# Altium PCB XTIDA-010086.PcbDoc (part 13 of 17)
Units mm, origin at the board's own origin, x right, y up, seen from the top; angles counter-clockwise.
Board outline 375 x 210 mm, 6 copper layers (Top Layer, GND Layer, Signal Layer 1, Signal Layer 2, Power Layer, Bottom Layer), stack 1.575 mm thick; 1884 components, 1036 nets, 4948 pads, 6791 vias.
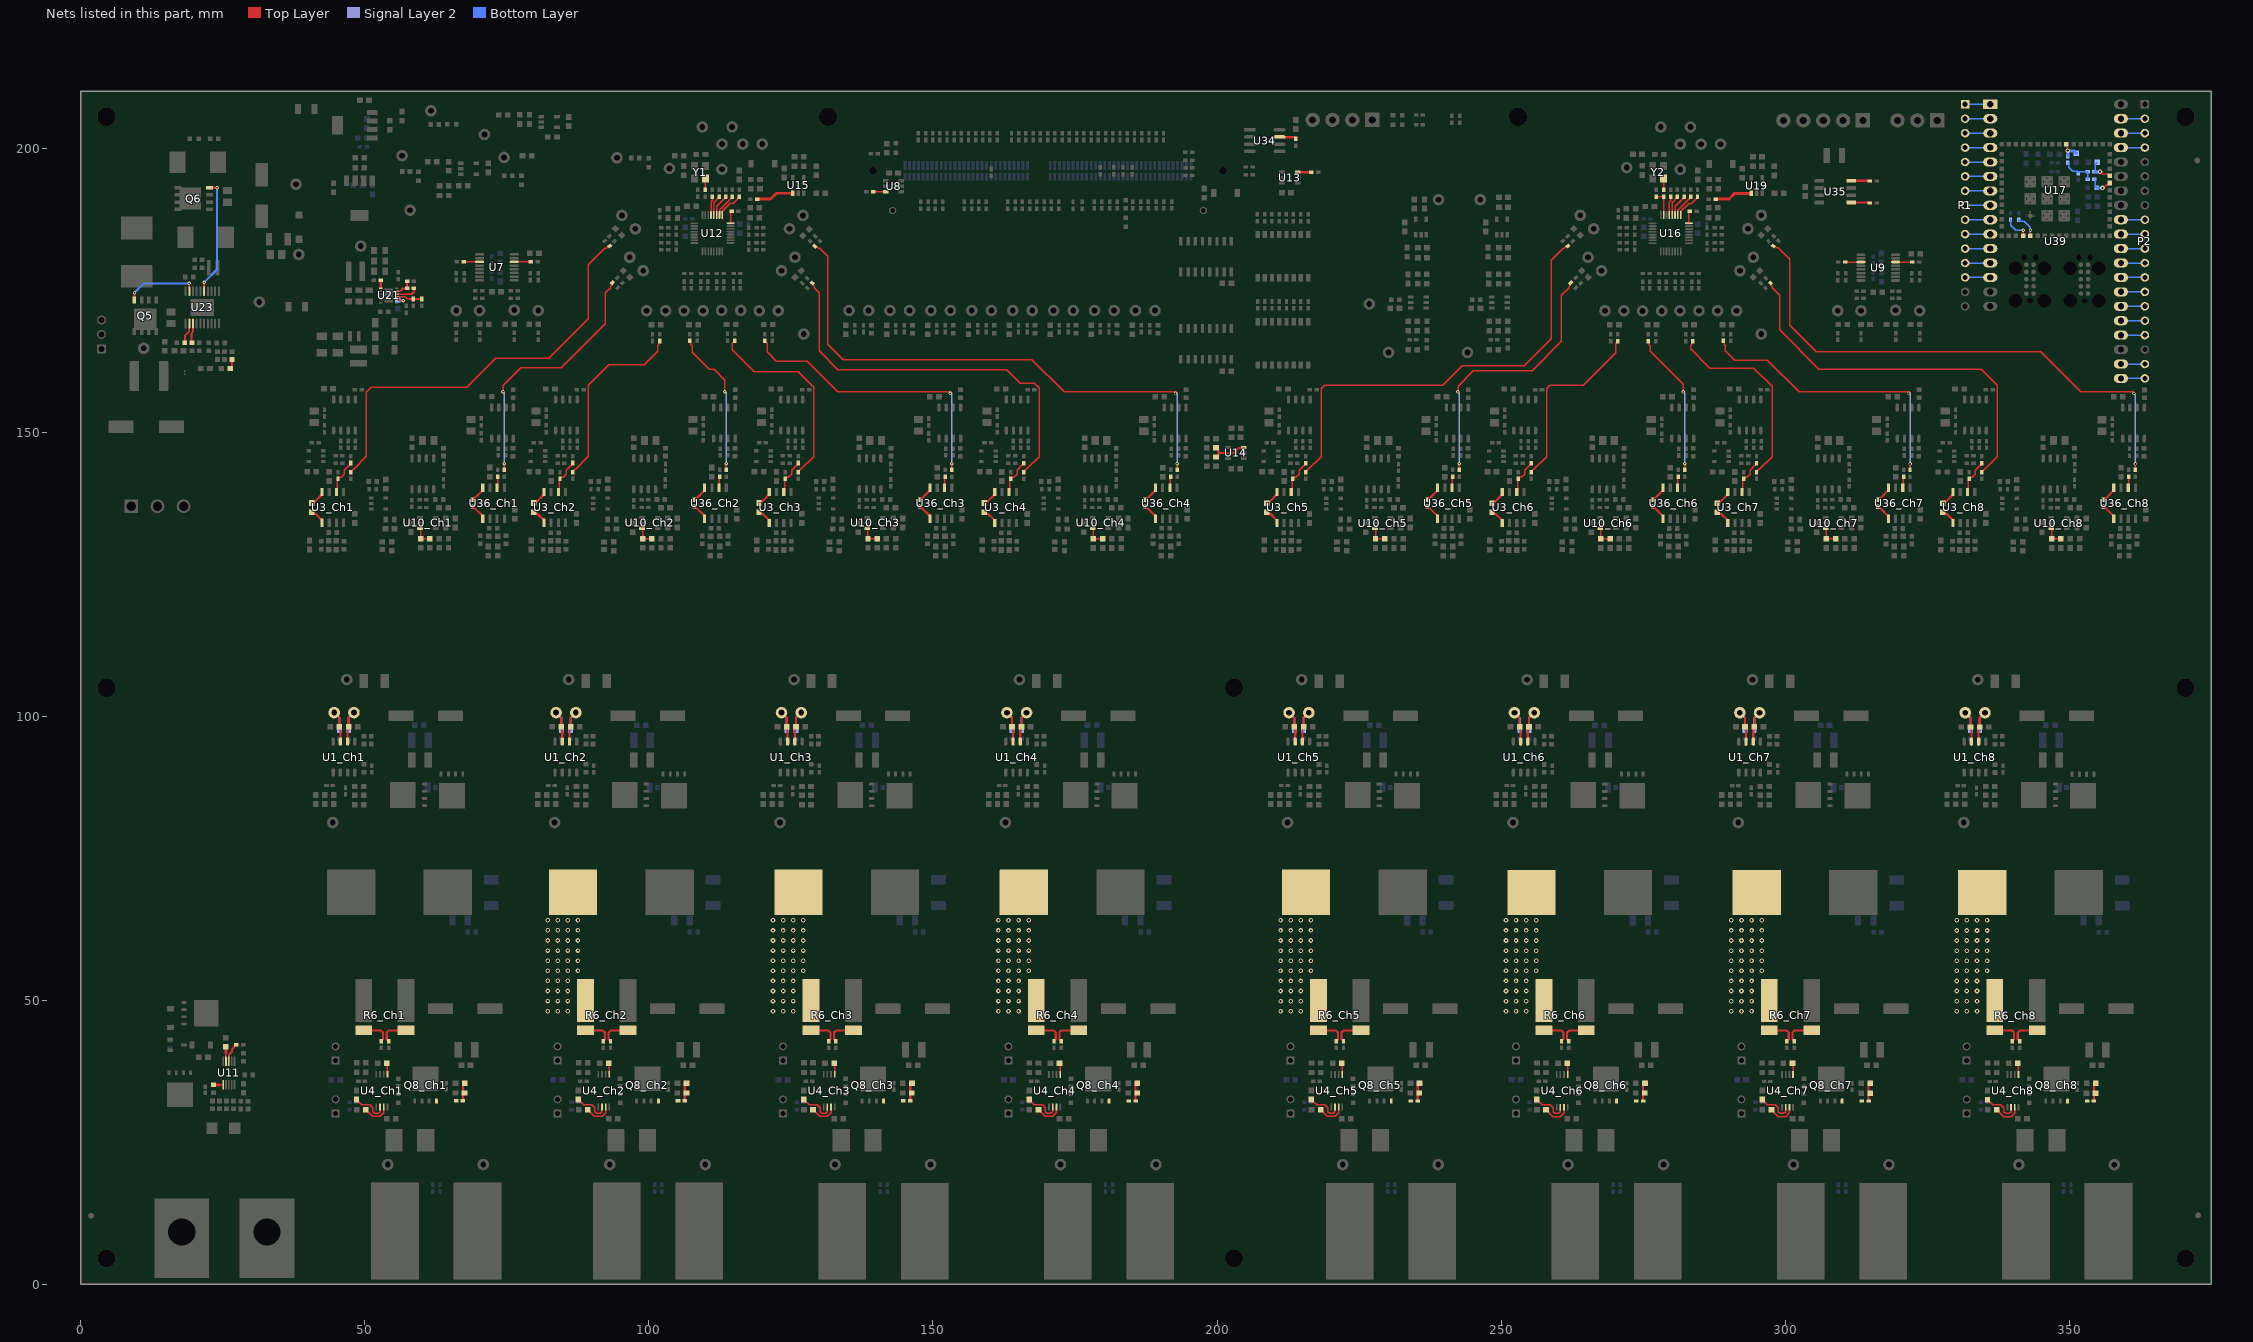
[diagram p17: the nets of this part, all layers, seen from the top]

## Via types
v1: diameter 0.813, hole 0.4, Top Layer to Bottom Layer, tented both sides, 4738 vias
v2: diameter 0.61, hole 0.3, Top Layer to Bottom Layer, tented both sides, 1254 vias
v3: diameter 0.813, hole 0.406, Top Layer to Bottom Layer, 728 vias
v4: diameter 0.5, hole 0.2, Top Layer to Bottom Layer, 40 vias
v5: diameter 5.45, hole 3.556, Top Layer to Bottom Layer, 16 vias
v6: diameter 5/3.65/3.65/3.65/3.65/5 (per signal layer), hole 3.2, Top Layer to Bottom Layer, 12 vias
v7: diameter 0.813, hole 0.4, Top Layer to Bottom Layer, 3 vias

## Nets (pads, with @x,y where several pads share a name; then routed paths per layer and width w, separated by ;. In a path a pad name is that pad's centre, name@x,y a point inside that pad or via, vN(x,y) a via of type N, cw(c..) or ccw(c..) an arc to the next point about the centre after c; other vN are vias at no path point) (continued)
NetL2_Ch2_2: L2_Ch2.2 R6_Ch2.2
  other v1: 82.169,48.055 83.947,48.055 85.725,48.055 82.169,49.833 83.947,49.833 85.725,49.833 82.169,51.611 83.947,51.611 85.725,51.611 82.169,53.389 83.947,53.389 85.725,53.389 82.169,55.167 83.947,55.167 85.725,55.167 87.503,55.167 82.169,56.945 83.947,56.945 85.725,56.945 87.503,56.945 82.169,58.723 83.947,58.723 85.725,58.723 87.503,58.723 82.169,60.501 83.947,60.501 85.725,60.501 87.503,60.501 82.169,62.279 83.947,62.279 85.725,62.279 87.503,62.279 82.169,64.057 83.947,64.057 85.725,64.057 87.503,64.057
NetL2_Ch3_2: L2_Ch3.2 R6_Ch3.2
  other v1: 121.844,48.053 123.622,48.053 125.4,48.053 121.844,49.831 123.622,49.831 125.4,49.831 121.844,51.609 123.622,51.609 125.4,51.609 121.844,53.387 123.622,53.387 125.4,53.387 121.844,55.165 123.622,55.165 125.4,55.165 127.178,55.165 121.844,56.943 123.622,56.943 125.4,56.943 127.178,56.943 121.844,58.721 123.622,58.721 125.4,58.721 127.178,58.721 121.844,60.499 123.622,60.499 125.4,60.499 127.178,60.499 121.844,62.277 123.622,62.277 125.4,62.277 127.178,62.277 121.844,64.055 123.622,64.055 125.4,64.055 127.178,64.055
NetL2_Ch4_2: L2_Ch4.2 R6_Ch4.2
  other v1: 161.519,48.051 163.297,48.051 165.075,48.051 161.519,49.829 163.297,49.829 165.075,49.829 161.519,51.607 163.297,51.607 165.075,51.607 161.519,53.385 163.297,53.385 165.075,53.385 161.519,55.163 163.297,55.163 165.075,55.163 166.853,55.163 161.519,56.941 163.297,56.941 165.075,56.941 166.853,56.941 161.519,58.719 163.297,58.719 165.075,58.719 166.853,58.719 161.519,60.497 163.297,60.497 165.075,60.497 166.853,60.497 161.519,62.275 163.297,62.275 165.075,62.275 166.853,62.275 161.519,64.053 163.297,64.053 165.075,64.053 166.853,64.053
NetL2_Ch5_2: L2_Ch5.2 R6_Ch5.2
  other v1: 211.193,48.049 212.971,48.049 214.749,48.049 211.193,49.827 212.971,49.827 214.749,49.827 211.193,51.605 212.971,51.605 214.749,51.605 211.193,53.383 212.971,53.383 214.749,53.383 211.193,55.161 212.971,55.161 214.749,55.161 216.527,55.161 211.193,56.939 212.971,56.939 214.749,56.939 216.527,56.939 211.193,58.717 212.971,58.717 214.749,58.717 216.527,58.717 211.193,60.495 212.971,60.495 214.749,60.495 216.527,60.495 211.193,62.273 212.971,62.273 214.749,62.273 216.527,62.273 211.193,64.051 212.971,64.051 214.749,64.051 216.527,64.051
NetL2_Ch6_2: L2_Ch6.2 R6_Ch6.2
  other v1: 250.868,48.047 252.646,48.047 254.424,48.047 250.868,49.825 252.646,49.825 254.424,49.825 250.868,51.603 252.646,51.603 254.424,51.603 250.868,53.381 252.646,53.381 254.424,53.381 250.868,55.159 252.646,55.159 254.424,55.159 256.202,55.159 250.868,56.937 252.646,56.937 254.424,56.937 256.202,56.937 250.868,58.715 252.646,58.715 254.424,58.715 256.202,58.715 250.868,60.493 252.646,60.493 254.424,60.493 256.202,60.493 250.868,62.271 252.646,62.271 254.424,62.271 256.202,62.271 250.868,64.049 252.646,64.049 254.424,64.049 256.202,64.049
NetL2_Ch7_2: L2_Ch7.2 R6_Ch7.2
  other v1: 290.543,48.045 292.321,48.045 294.099,48.045 290.543,49.823 292.321,49.823 294.099,49.823 290.543,51.601 292.321,51.601 294.099,51.601 290.543,53.379 292.321,53.379 294.099,53.379 290.543,55.157 292.321,55.157 294.099,55.157 295.877,55.157 290.543,56.935 292.321,56.935 294.099,56.935 295.877,56.935 290.543,58.713 292.321,58.713 294.099,58.713 295.877,58.713 290.543,60.491 292.321,60.491 294.099,60.491 295.877,60.491 290.543,62.269 292.321,62.269 294.099,62.269 295.877,62.269 290.543,64.047 292.321,64.047 294.099,64.047 295.877,64.047
NetL2_Ch8_2: L2_Ch8.2 R6_Ch8.2
  other v1: 330.218,48.043 331.996,48.043 333.774,48.043 330.218,49.821 331.996,49.821 333.774,49.821 330.218,51.599 331.996,51.599 333.774,51.599 330.218,53.377 331.996,53.377 333.774,53.377 330.218,55.155 331.996,55.155 333.774,55.155 335.552,55.155 330.218,56.933 331.996,56.933 333.774,56.933 335.552,56.933 330.218,58.711 331.996,58.711 333.774,58.711 335.552,58.711 330.218,60.489 331.996,60.489 333.774,60.489 335.552,60.489 330.218,62.267 331.996,62.267 333.774,62.267 335.552,62.267 330.218,64.045 331.996,64.045 333.774,64.045 335.552,64.045
NetP1_1: P1.1 U39.1 | length 4.2
  Bottom Layer w0.254: P1.1@331.911,207.696 U39.1@336.118,207.696
NetP1_2: P1.2 U39.2 | length 4.2
  Bottom Layer w0.254: P1.2@331.911,205.156 U39.2@336.118,205.156
NetP1_3: P1.3 U39.3 | length 4.2
  Bottom Layer w0.254: P1.3@331.911,202.616 U39.3@336.118,202.616
NetP1_4: P1.4 U39.4 | length 4.2
  Bottom Layer w0.254: P1.4@331.911,200.076 U39.4@336.118,200.076
NetP1_5: P1.5 U39.5 | length 4.2
  Bottom Layer w0.254: P1.5@331.911,197.536 U39.5@336.118,197.536
NetP1_6: P1.6 U39.6 | length 4.2
  Bottom Layer w0.254: P1.6@331.911,194.996 U39.6@336.118,194.996
NetP1_7: P1.7 U39.7 | length 4.2
  Bottom Layer w0.254: P1.7@331.911,192.456 U39.7@336.118,192.456
NetP1_8: P1.8 U39.8 | length 4.2
  Bottom Layer w0.254: P1.8@331.911,189.916 U39.8@336.118,189.916
NetP1_9: P1.9 U39.9 | length 4.2
  Bottom Layer w0.254: P1.9@331.911,187.376 U39.9@336.118,187.376
NetP1_10: P1.10 U39.10 | length 4.2
  Bottom Layer w0.254: P1.10@331.911,184.836 U39.10@336.118,184.836
NetP1_11: P1.11 U39.11 | length 4.2
  Bottom Layer w0.254: P1.11@331.911,182.296 U39.11@336.118,182.296
NetP1_12: P1.12 U39.12 | length 4.2
  Bottom Layer w0.254: P1.12@331.911,179.756 U39.12@336.118,179.756
NetP1_13: P1.13 U39.13 | length 4.2
  Bottom Layer w0.254: P1.13@331.911,177.216 U39.13@336.118,177.216
NetP2_2: P2.2 U39.17 | length 4.2
  Bottom Layer w0.254: U39.17@359.118,205.156 P2.2@363.325,205.156
NetP2_3: P2.3 U39.18 | length 4.2
  Bottom Layer w0.254: U39.18@359.118,202.616 P2.3@363.325,202.616
NetP2_4: P2.4 U39.19 | length 4.2
  Bottom Layer w0.254: U39.19@359.118,200.076 P2.4@363.325,200.076
NetP2_9: P2.9 U39.24 | length 4.2
  Bottom Layer w0.254: U39.24@359.118,187.376 P2.9@363.325,187.376
NetP2_10: P2.10 U39.25 | length 4.2
  Bottom Layer w0.254: U39.25@359.118,184.836 P2.10@363.325,184.836
NetP2_11: P2.11 U39.26 | length 4.2
  Bottom Layer w0.254: U39.26@359.118,182.296 P2.11@363.325,182.296
NetP2_12: P2.12 U39.27 | length 4.2
  Bottom Layer w0.254: U39.27@359.118,179.756 P2.12@363.325,179.756
NetP2_13: P2.13 U39.28 | length 4.2
  Bottom Layer w0.254: U39.28@359.118,177.216 P2.13@363.325,177.216
NetP2_14: P2.14 U39.29 | length 4.2
  Bottom Layer w0.254: U39.29@359.118,174.676 P2.14@363.325,174.676
NetP2_15: P2.15 U39.30 | length 4.2
  Bottom Layer w0.254: U39.30@359.118,172.136 P2.15@363.325,172.136
NetP2_16: P2.16 U39.31 | length 4.2
  Bottom Layer w0.254: U39.31@359.118,169.596 P2.16@363.325,169.596
NetP2_17: P2.17 U39.32 | length 4.2
  Bottom Layer w0.254: U39.32@359.118,167.056 P2.17@363.325,167.056
NetP2_19: P2.19 U39.34 | length 4.2
  Bottom Layer w0.254: U39.34@359.118,161.976 P2.19@363.325,161.976
NetP2_20: P2.20 U39.35 | length 4.2
  Bottom Layer w0.254: U39.35@359.118,159.436 P2.20@363.325,159.436
NetQ5_4: Q5.4 U23.19 | length 13
  Top Layer w0.305: U23.19@19.099,174.8 v2(19.099,176.167)
  Top Layer w0.381: Q5.4@9.436,173.233 9.436,174.503 v2(9.449,174.516)
  Bottom Layer w0.381: v2(9.449,174.516) 11.1,176.167 v2(19.099,176.167)
NetQ6_4: Q6.4 U23.15 | length 20.5
  Top Layer w0.305: U23.15@21.699,174.8 v2(21.699,176.345)
  Top Layer w0.381: Q6.4@22.632,193.007 23.954,193.007 v2(23.978,192.983)
  Bottom Layer w0.381: v2(21.699,176.345) 23.978,178.623 v2(23.978,192.983)
NetQ8_Ch1_4: Q8_Ch1.4 R7_Ch1.2
NetQ8_Ch2_4: Q8_Ch2.4 R7_Ch2.2
NetQ8_Ch3_4: Q8_Ch3.4 R7_Ch3.2
NetQ8_Ch4_4: Q8_Ch4.4 R7_Ch4.2
NetQ8_Ch5_4: Q8_Ch5.4 R7_Ch5.2
NetQ8_Ch6_4: Q8_Ch6.4 R7_Ch6.2
NetQ8_Ch7_4: Q8_Ch7.4 R7_Ch7.2
NetQ8_Ch8_4: Q8_Ch8.4 R7_Ch8.2
NetR1_Ch1_1: R1_Ch1.1 R2_Ch1.1 TP1_Ch1.1 U1_Ch1.2 | length 9.1
  Top Layer w0.381: U1_Ch1.2@46.949,95.513 46.949,97.893 R1_Ch1.1@47.158,98.103 47.158,99.703 TP1_Ch1.1@48.067,100.612
  Bottom Layer w0.381: R2_Ch1.1@47.145,97.426 47.145,99.69 TP1_Ch1.1@48.067,100.612
NetR1_Ch2_1: R1_Ch2.1 R2_Ch2.1 TP1_Ch2.1 U1_Ch2.2 | length 9.1
  Top Layer w0.381: U1_Ch2.2@86.014,95.511 86.014,97.891 R1_Ch2.1@86.223,98.101 86.223,99.701 TP1_Ch2.1@87.133,100.61
  Bottom Layer w0.381: R2_Ch2.1@86.21,97.424 86.21,99.688 TP1_Ch2.1@87.133,100.61
NetR1_Ch3_1: R1_Ch3.1 R2_Ch3.1 TP1_Ch3.1 U1_Ch3.2 | length 9.1
  Top Layer w0.381: U1_Ch3.2@125.689,95.509 125.689,97.889 R1_Ch3.1@125.898,98.099 125.898,99.699 TP1_Ch3.1@126.807,100.608
  Bottom Layer w0.381: R2_Ch3.1@125.885,97.422 125.885,99.686 TP1_Ch3.1@126.807,100.608
NetR1_Ch4_1: R1_Ch4.1 R2_Ch4.1 TP1_Ch4.1 U1_Ch4.2 | length 9.1
  Top Layer w0.381: U1_Ch4.2@165.363,95.507 165.363,97.887 R1_Ch4.1@165.573,98.097 165.573,99.697 TP1_Ch4.1@166.482,100.606
  Bottom Layer w0.381: R2_Ch4.1@165.56,97.42 165.56,99.684 TP1_Ch4.1@166.482,100.606
NetR1_Ch5_1: R1_Ch5.1 R2_Ch5.1 TP1_Ch5.1 U1_Ch5.2 | length 9.1
  Top Layer w0.381: U1_Ch5.2@215.038,95.505 215.038,97.885 R1_Ch5.1@215.248,98.095 215.248,99.695 TP1_Ch5.1@216.157,100.604
  Bottom Layer w0.381: R2_Ch5.1@215.235,97.418 215.235,99.682 TP1_Ch5.1@216.157,100.604
NetR1_Ch6_1: R1_Ch6.1 R2_Ch6.1 TP1_Ch6.1 U1_Ch6.2 | length 9.1
  Top Layer w0.381: U1_Ch6.2@254.713,95.503 254.713,97.883 R1_Ch6.1@254.922,98.093 254.922,99.693 TP1_Ch6.1@255.832,100.602
  Bottom Layer w0.381: R2_Ch6.1@254.91,97.416 254.91,99.68 TP1_Ch6.1@255.832,100.602
NetR1_Ch7_1: R1_Ch7.1 R2_Ch7.1 TP1_Ch7.1 U1_Ch7.2 | length 9.1
  Top Layer w0.381: U1_Ch7.2@294.388,95.501 294.388,97.881 R1_Ch7.1@294.597,98.091 294.597,99.691 TP1_Ch7.1@295.507,100.6
  Bottom Layer w0.381: R2_Ch7.1@294.584,97.414 294.584,99.678 TP1_Ch7.1@295.507,100.6
NetR1_Ch8_1: R1_Ch8.1 R2_Ch8.1 TP1_Ch8.1 U1_Ch8.2 | length 9.1
  Top Layer w0.381: U1_Ch8.2@334.063,95.499 334.063,97.879 R1_Ch8.1@334.272,98.089 334.272,99.689 TP1_Ch8.1@335.181,100.598
  Bottom Layer w0.381: R2_Ch8.1@334.259,97.412 334.259,99.676 TP1_Ch8.1@335.181,100.598
NetR3_Ch1_1: R3_Ch1.1 R5_Ch1.2 TP3_Ch1.1 U1_Ch1.3 | length 9.1
  Top Layer w0.381: TP3_Ch1.1@44.597,100.612 45.507,99.703 R5_Ch1.2@45.507,98.103 45.679,97.931 U1_Ch1.3@45.679,95.513
  Bottom Layer w0.381: TP3_Ch1.1@44.597,100.612 45.52,99.69 R3_Ch1.1@45.52,97.426
NetR3_Ch2_1: R3_Ch2.1 R5_Ch2.2 TP3_Ch2.1 U1_Ch2.3 | length 9.1
  Top Layer w0.381: TP3_Ch2.1@83.663,100.61 84.572,99.701 R5_Ch2.2@84.572,98.101 84.744,97.929 U1_Ch2.3@84.744,95.511
  Bottom Layer w0.381: TP3_Ch2.1@83.663,100.61 84.585,99.688 R3_Ch2.1@84.585,97.424
NetR3_Ch3_1: R3_Ch3.1 R5_Ch3.2 TP3_Ch3.1 U1_Ch3.3 | length 9.1
  Top Layer w0.381: TP3_Ch3.1@123.337,100.608 124.247,99.699 R5_Ch3.2@124.247,98.099 124.419,97.927 U1_Ch3.3@124.419,95.509
  Bottom Layer w0.381: TP3_Ch3.1@123.337,100.608 124.26,99.686 R3_Ch3.1@124.26,97.422
NetR3_Ch4_1: R3_Ch4.1 R5_Ch4.2 TP3_Ch4.1 U1_Ch4.3 | length 9.1
  Top Layer w0.381: TP3_Ch4.1@163.012,100.606 163.922,99.697 R5_Ch4.2@163.922,98.097 164.093,97.925 U1_Ch4.3@164.093,95.507
  Bottom Layer w0.381: TP3_Ch4.1@163.012,100.606 163.934,99.684 R3_Ch4.1@163.934,97.42
NetR3_Ch5_1: R3_Ch5.1 R5_Ch5.2 TP3_Ch5.1 U1_Ch5.3 | length 9.1
  Top Layer w0.381: TP3_Ch5.1@212.687,100.604 213.596,99.695 R5_Ch5.2@213.596,98.095 213.768,97.923 U1_Ch5.3@213.768,95.505
  Bottom Layer w0.381: TP3_Ch5.1@212.687,100.604 213.609,99.682 R3_Ch5.1@213.609,97.418
NetR3_Ch6_1: R3_Ch6.1 R5_Ch6.2 TP3_Ch6.1 U1_Ch6.3 | length 9.1
  Top Layer w0.381: TP3_Ch6.1@252.362,100.602 253.271,99.693 R5_Ch6.2@253.271,98.093 253.443,97.921 U1_Ch6.3@253.443,95.503
  Bottom Layer w0.381: TP3_Ch6.1@252.362,100.602 253.284,99.68 R3_Ch6.1@253.284,97.416
NetR3_Ch7_1: R3_Ch7.1 R5_Ch7.2 TP3_Ch7.1 U1_Ch7.3 | length 9.1
  Top Layer w0.381: TP3_Ch7.1@292.037,100.6 292.946,99.691 R5_Ch7.2@292.946,98.091 293.118,97.919 U1_Ch7.3@293.118,95.501
  Bottom Layer w0.381: TP3_Ch7.1@292.037,100.6 292.959,99.678 R3_Ch7.1@292.959,97.414
NetR3_Ch8_1: R3_Ch8.1 R5_Ch8.2 TP3_Ch8.1 U1_Ch8.3 | length 9.1
  Top Layer w0.381: TP3_Ch8.1@331.711,100.598 332.621,99.689 R5_Ch8.2@332.621,98.089 332.793,97.917 U1_Ch8.3@332.793,95.499
  Bottom Layer w0.381: TP3_Ch8.1@331.711,100.598 332.634,99.676 R3_Ch8.1@332.634,97.412
NetR6_Ch1_3: R6_Ch1.3 R13_Ch1.2 | length 5.2
  Top Layer w0.381: R13_Ch1.2@54.153,42.798 53.835,43.116 53.835,44.298 54.216,44.678 R6_Ch1.3@57.253,44.678
NetR6_Ch1_4: R6_Ch1.4 R12_Ch1.2 | length 5.2
  Top Layer w0.381: R6_Ch1.4@49.783,44.678 52.82,44.678 53.2,44.298 53.2,43.116 R12_Ch1.2@52.883,42.798
NetR6_Ch2_3: R6_Ch2.3 R13_Ch2.2 | length 5.2
  Top Layer w0.381: R13_Ch2.2@93.218,42.796 92.9,43.114 92.9,44.296 93.281,44.676 R6_Ch2.3@96.318,44.676
NetR6_Ch2_4: R6_Ch2.4 R12_Ch2.2 | length 5.2
  Top Layer w0.381: R6_Ch2.4@88.848,44.676 91.885,44.676 92.266,44.296 92.266,43.114 R12_Ch2.2@91.948,42.796
NetR6_Ch3_3: R6_Ch3.3 R13_Ch3.2 | length 5.2
  Top Layer w0.381: R13_Ch3.2@132.893,42.794 132.575,43.112 132.575,44.294 132.956,44.674 R6_Ch3.3@135.993,44.674
NetR6_Ch3_4: R6_Ch3.4 R12_Ch3.2 | length 5.2
  Top Layer w0.381: R6_Ch3.4@128.523,44.674 131.56,44.674 131.94,44.294 131.94,43.112 R12_Ch3.2@131.623,42.794
NetR6_Ch4_3: R6_Ch4.3 R13_Ch4.2 | length 5.2
  Top Layer w0.381: R13_Ch4.2@172.568,42.792 172.25,43.11 172.25,44.292 172.631,44.672 R6_Ch4.3@175.668,44.672
NetR6_Ch4_4: R6_Ch4.4 R12_Ch4.2 | length 5.2
  Top Layer w0.381: R6_Ch4.4@168.198,44.672 171.234,44.672 171.615,44.292 171.615,43.11 R12_Ch4.2@171.298,42.792
NetR6_Ch5_3: R6_Ch5.3 R13_Ch5.2 | length 5.2
  Top Layer w0.381: R13_Ch5.2@222.242,42.79 221.925,43.108 221.925,44.29 222.306,44.67 R6_Ch5.3@225.342,44.67
NetR6_Ch5_4: R6_Ch5.4 R12_Ch5.2 | length 5.2
  Top Layer w0.381: R6_Ch5.4@217.872,44.67 220.909,44.67 221.29,44.29 221.29,43.108 R12_Ch5.2@220.972,42.79
NetR6_Ch6_3: R6_Ch6.3 R13_Ch6.2 | length 5.2
  Top Layer w0.381: R13_Ch6.2@261.917,42.788 261.6,43.106 261.6,44.288 261.98,44.668 R6_Ch6.3@265.017,44.668
NetR6_Ch6_4: R6_Ch6.4 R12_Ch6.2 | length 5.2
  Top Layer w0.381: R6_Ch6.4@257.547,44.668 260.584,44.668 260.965,44.288 260.965,43.106 R12_Ch6.2@260.647,42.788
NetR6_Ch7_3: R6_Ch7.3 R13_Ch7.2 | length 5.2
  Top Layer w0.381: R13_Ch7.2@301.592,42.786 301.275,43.104 301.275,44.286 301.655,44.666 R6_Ch7.3@304.692,44.666
NetR6_Ch7_4: R6_Ch7.4 R12_Ch7.2 | length 5.2
  Top Layer w0.381: R6_Ch7.4@297.222,44.666 300.259,44.666 300.64,44.286 300.64,43.104 R12_Ch7.2@300.322,42.786
NetR6_Ch8_3: R6_Ch8.3 R13_Ch8.2 | length 5.2
  Top Layer w0.381: R13_Ch8.2@341.267,42.784 340.949,43.102 340.949,44.284 341.33,44.664 R6_Ch8.3@344.367,44.664
NetR6_Ch8_4: R6_Ch8.4 R12_Ch8.2 | length 5.2
  Top Layer w0.381: R6_Ch8.4@336.897,44.664 339.934,44.664 340.314,44.284 340.314,43.102 R12_Ch8.2@339.997,42.784
NetR30_Ch1_1: R30_Ch1.1 U3_Ch1.8 | length 2.9
  Top Layer w0.381: R30_Ch1.1@40.645,137.501 40.645,137.526 40.929,137.81 41.256,137.81 42.454,139.008 U3_Ch1.8@42.454,139.459
NetR30_Ch1_2: R30_Ch1.2 U3_Ch1.1 | length 2.9
  Top Layer w0.381: R30_Ch1.2@40.645,135.901 40.645,135.876 40.929,135.591 41.324,135.591 42.454,134.462 U3_Ch1.1@42.454,134.011
NetR30_Ch2_1: R30_Ch2.1 U3_Ch2.8 | length 2.9
  Top Layer w0.381: R30_Ch2.1@79.71,137.499 79.71,137.524 79.994,137.808 80.321,137.808 81.519,139.006 U3_Ch2.8@81.519,139.457
NetR30_Ch2_2: R30_Ch2.2 U3_Ch2.1 | length 2.9
  Top Layer w0.381: R30_Ch2.2@79.71,135.899 79.71,135.874 79.994,135.589 80.389,135.589 81.519,134.46 U3_Ch2.1@81.519,134.009
NetR30_Ch3_1: R30_Ch3.1 U3_Ch3.8 | length 2.9
  Top Layer w0.381: R30_Ch3.1@119.385,137.497 119.385,137.522 119.669,137.806 119.996,137.806 121.194,139.004 U3_Ch3.8@121.194,139.455
NetR30_Ch3_2: R30_Ch3.2 U3_Ch3.1 | length 2.9
  Top Layer w0.381: R30_Ch3.2@119.385,135.897 119.385,135.872 119.669,135.587 120.064,135.587 121.194,134.458 U3_Ch3.1@121.194,134.007
NetR30_Ch4_1: R30_Ch4.1 U3_Ch4.8 | length 2.9
  Top Layer w0.381: R30_Ch4.1@159.06,137.495 159.06,137.52 159.344,137.804 159.67,137.804 160.868,139.002 U3_Ch4.8@160.868,139.453
NetR30_Ch4_2: R30_Ch4.2 U3_Ch4.1 | length 2.9
  Top Layer w0.381: R30_Ch4.2@159.06,135.895 159.06,135.87 159.344,135.585 159.739,135.585 160.868,134.456 U3_Ch4.1@160.868,134.005
NetR30_Ch5_1: R30_Ch5.1 U3_Ch5.8 | length 2.9
  Top Layer w0.381: R30_Ch5.1@208.734,137.493 208.734,137.518 209.019,137.802 209.345,137.802 210.543,139 U3_Ch5.8@210.543,139.451
NetR30_Ch5_2: R30_Ch5.2 U3_Ch5.1 | length 2.9
  Top Layer w0.381: R30_Ch5.2@208.734,135.893 208.734,135.868 209.019,135.583 209.414,135.583 210.543,134.454 U3_Ch5.1@210.543,134.003
NetR30_Ch6_1: R30_Ch6.1 U3_Ch6.8 | length 2.9
  Top Layer w0.381: R30_Ch6.1@248.409,137.491 248.409,137.516 248.694,137.8 249.02,137.8 250.218,138.998 U3_Ch6.8@250.218,139.449
NetR30_Ch6_2: R30_Ch6.2 U3_Ch6.1 | length 2.9
  Top Layer w0.381: R30_Ch6.2@248.409,135.891 248.409,135.866 248.694,135.581 249.088,135.581 250.218,134.452 U3_Ch6.1@250.218,134.001
NetR30_Ch7_1: R30_Ch7.1 U3_Ch7.8 | length 2.9
  Top Layer w0.381: R30_Ch7.1@288.084,137.489 288.084,137.514 288.368,137.798 288.695,137.798 289.893,138.996 U3_Ch7.8@289.893,139.447
NetR30_Ch7_2: R30_Ch7.2 U3_Ch7.1 | length 2.9
  Top Layer w0.381: R30_Ch7.2@288.084,135.889 288.084,135.864 288.368,135.579 288.763,135.579 289.893,134.45 U3_Ch7.1@289.893,133.999
NetR30_Ch8_1: R30_Ch8.1 U3_Ch8.8 | length 2.9
  Top Layer w0.381: R30_Ch8.1@327.759,137.487 327.759,137.512 328.043,137.796 328.37,137.796 329.568,138.994 U3_Ch8.8@329.568,139.445
NetR30_Ch8_2: R30_Ch8.2 U3_Ch8.1 | length 2.9
  Top Layer w0.381: R30_Ch8.2@327.759,135.887 327.759,135.862 328.043,135.577 328.438,135.577 329.568,134.448 U3_Ch8.1@329.568,133.997
NetR34_Ch1_1: R34_Ch1.1 R35_Ch1.1 U3_Ch1.6 | length 6.5
  Top Layer w0.254: U3_Ch1.6@44.994,139.459 45.134,139.6 45.134,141.488 45.274,141.629 R34_Ch1.1@45.274,141.861 ; R34_Ch1.1@45.274,141.761 R34_Ch1.1@45.274,141.861 ; R35_Ch1.1@47.53,144.553 47.42,144.443 47.42,144.343 46.393,143.316 46.393,142.614 45.813,142.034 45.447,142.034 R34_Ch1.1@45.274,141.861
NetR34_Ch2_1: R34_Ch2.1 R35_Ch2.1 U3_Ch2.6 | length 6.5
  Top Layer w0.254: U3_Ch2.6@84.059,139.457 84.199,139.598 84.199,141.486 84.339,141.627 R34_Ch2.1@84.339,141.859 ; R34_Ch2.1@84.339,141.759 R34_Ch2.1@84.339,141.859 ; R35_Ch2.1@86.595,144.551 86.485,144.441 86.485,144.341 85.458,143.314 85.458,142.612 84.878,142.032 84.512,142.032 R34_Ch2.1@84.339,141.859
NetR34_Ch3_1: R34_Ch3.1 R35_Ch3.1 U3_Ch3.6 | length 6.5
  Top Layer w0.254: U3_Ch3.6@123.734,139.455 123.874,139.596 123.874,141.484 124.014,141.625 R34_Ch3.1@124.014,141.857 ; R34_Ch3.1@124.014,141.757 R34_Ch3.1@124.014,141.857 ; R35_Ch3.1@126.27,144.549 126.16,144.439 126.16,144.339 125.133,143.312 125.133,142.61 124.553,142.03 124.187,142.03 R34_Ch3.1@124.014,141.857